# Altium PCB ultra.PcbDoc (part 7 of 9)
Units mm, origin at the board's own origin, x right, y up, seen from the top; angles counter-clockwise.
Board outline 210 x 210 mm, 2 copper layers (Top Layer, Bottom Layer), stack 1.591 mm thick; 722 components, 1083 nets, 2232 pads, 1540 vias.
Unrouted connection lines stored in the file: 21.
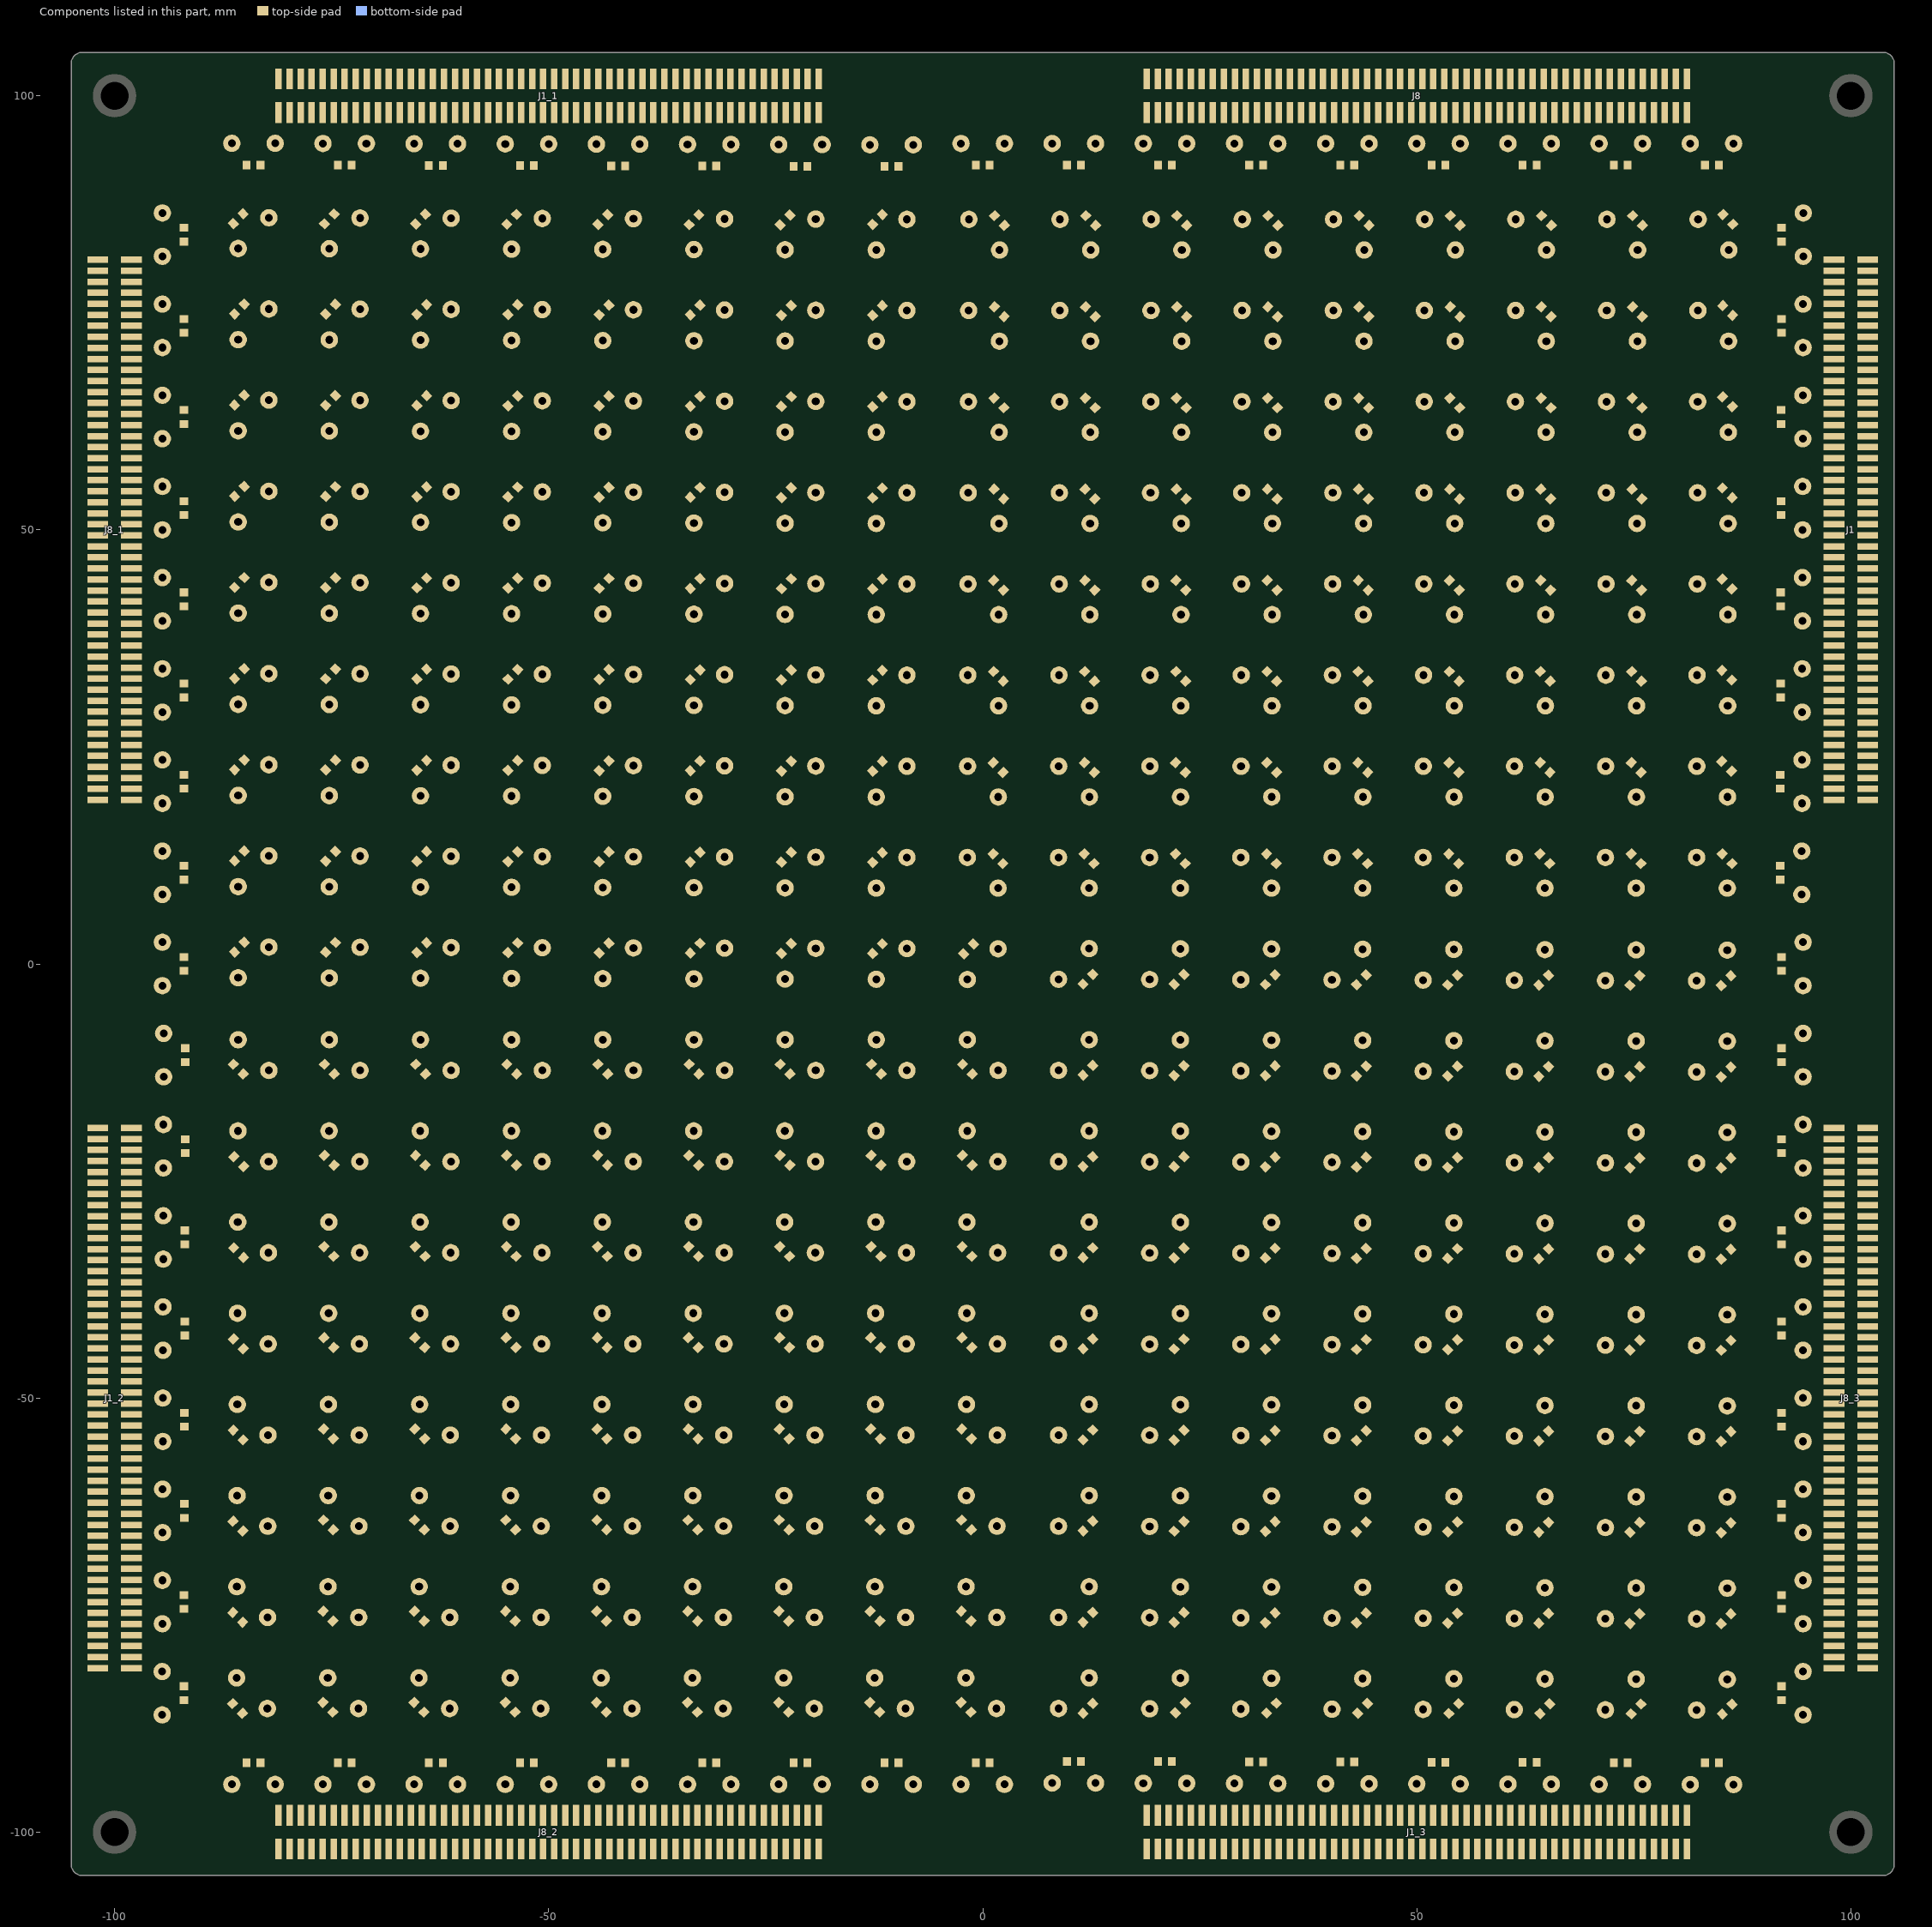
[diagram p7: the components of this part, seen from the top]

## Via types
v1: diameter 0.6, hole 0.3, Top Layer to Bottom Layer, tented both sides, 784 vias
v2: diameter 0.8, hole 0.4, Top Layer to Bottom Layer, tented both sides, 756 vias

## Nets (pads, with @x,y where several pads share a name; then routed paths per layer and width w, separated by ;. In a path a pad name is that pad's centre, name@x,y a point inside that pad or via, vN(x,y) a via of type N, cw(c..) or ccw(c..) an arc to the next point about the centre after c; other vN are vias at no path point) (continued)
copper on no net: (continued)
  Top Layer w0.5: -37.935,98.05 -37.935,96.741 -36.8,95.606 -36.8,93.382 -32.938,89.52 -28.743,89.52 -27.295,88.072 -27.295,70.551 -22.339,65.596 ; -37.935,101.95 -37.935,100.394 -37.744,100.203 -37.744,99.974 v2(-37.795,99.924) ; v2(-36.932,59.03) -36.703,59.03 -32.779,55.105 ; v2(-36.83,99.949) -36.665,100.114 -36.665,101.95 ; v2(-36.678,-100) -36.665,-100.012 -36.665,-101.95 ; -36.665,-98.05 -36.665,-96.403 -36.05,-95.788 -36.05,-92.468 -33.64,-90.058 -28.611,-90.058 -26.249,-87.696 -26.249,-79.426 -24.801,-77.978 -19.456,-77.978 -17.45,-75.971 -17.45,-68.605 -13.221,-64.376 ; -36.665,98.05 -36.665,96.39 -36.15,95.875 -36.15,93.651 -32.669,90.17 -28.473,90.17 -26.645,88.341 -26.645,72.238 -20.98,66.573 -20.98,65.151 -21.133,64.999 -21.133,64.44 -11.532,54.839 ; v2(-35.865,99.974) -35.484,99.974 -35.331,100.127 -35.395,100.19 -35.395,101.95 ; -35.395,-101.95 -35.395,-100.063 v2(-35.382,-100.051) ; -35.395,-98.05 -35.395,-95.085 -35.4,-95.08 -35.4,-92.737 -33.371,-90.708 -28.341,-90.708 -25.599,-87.965 -25.599,-79.828 -24.399,-78.628 -19.187,-78.628 -16.8,-76.241 -16.8,-71.653 -16.698,-71.552 -16.612,-71.552 -12.929,-67.869 -9.576,-67.869 -6.248,-64.541 -6.248,-57.302 -2.463,-53.517 ; -35.395,98.05 -35.4,98.05 -35.4,93.82 -34.58,93 -34.143,93 -33.64,92.497 v2(-33.655,92.481) ; v2(-35.331,-55.499) -35.331,-54.991 -33.91,-53.57 ; v2(-34.595,46.355) -34.519,46.355 -32.817,44.653 ; -34.125,-101.95 -34.125,-100.266 -34.138,-100.254 -34.138,-100 v2(-34.112,-99.974) ; -34.125,-98.05 -34.125,-96.605 -30.785,-93.265 -30.785,-92.354 ; -34.125,98.05 -34.125,96.05 -34.036,95.961 v2(-33.884,95.961) ; -34.125,101.95 -34.125,100.165 -34.188,100.101 v2(-34.011,100.101) ; -34,-94.5 -32.3,-92.8 -32.3,-92 ; -33.826,85.149 -33.268,84.591 -33.268,82.282 ; -33.688,1.242 -33.268,0.822 -33.268,-1.718 ; -33.688,11.742 -33.268,11.322 -33.268,8.782 ; -33.688,22.242 -33.268,21.822 -33.268,19.282 ; -33.688,32.742 -33.268,32.322 -33.268,29.782 ; -33.688,43.242 -33.268,42.822 -33.268,40.282 ; -33.688,53.742 -33.268,53.322 -33.268,50.782 ; -33.688,64.242 -33.268,63.822 -33.268,61.282 ; -33.688,74.742 -33.268,74.322 -33.268,71.782 ; v2(-32.918,-100) -32.766,-100.152 -32.766,-100.178 -32.855,-100.267 -32.855,-101.95 ; v2(-32.893,100) -32.855,100.038 -32.855,101.95 ; -32.867,-86.188 -32.447,-85.768 -29.907,-85.768 ; -32.855,-98.05 -32.855,-96.254 -24.028,-87.428 -24.028,-84.963 -23.444,-84.379 ; -32.855,98.05 -32.855,95.314 -31.14,93.599 v2(-31.14,93.396) ; -32.842,-75.688 -32.422,-75.268 -29.882,-75.268 ; -32.817,-65.188 -32.397,-64.768 -29.857,-64.768 ; -32.792,-54.688 -32.372,-54.268 -29.832,-54.268 ; -32.767,-44.188 -32.347,-43.768 -29.807,-43.768 ; -32.757,86.343 -31.521,87.579 v2(-31.521,87.681) ; -32.742,-33.688 -32.322,-33.268 -29.782,-33.268 ; -32.717,-23.188 -32.297,-22.768 -29.757,-22.768 ; -32.692,-12.688 -32.272,-12.268 -29.732,-12.268 ; -32.042,91.63 -31.232,90.82 -29.373,90.82 -27.508,92.685 -27.508,94.888 -28.42,95.8 -29.074,95.8 -30.315,97.041 -30.315,98.05 ; v2(-31.674,-46.634) -31.636,-46.672 -26.962,-46.672 -23.482,-43.193 ; v2(-31.623,99.974) -31.648,100 -31.648,100.279 -31.585,100.343 -31.585,101.95 ; -31.585,-98.05 -31.572,-98.063 v2(-31.572,-99.924) ; -31.585,98.05 -31.585,96.965 v2(-30.556,95.936) ; -30.7,91.9 -29,93.6 -29,94.4 ; v2(-30.455,103.962) -30.429,103.937 -30.429,103.48 -30.315,103.365 -30.315,101.95 ; -30.315,-101.95 -30.315,-101.283 v2(-30.302,-101.27) ; -30.315,-98.05 -30.315,-96.812 -29.403,-95.9 -28.42,-95.9 -27.381,-94.861 -27.381,-92.532 -23.419,-88.57 -19.126,-88.57 -16.383,-85.827 -16.383,-76.743 -16.15,-76.51 -16.15,-72.258 -12.41,-68.519 -7.025,-68.519 -2.506,-63.999 ; v2(-29.134,100.051) -29.159,100.076 -29.159,100.305 -29.045,100.419 -29.045,101.95 ; -29.045,-98.05 -29.045,-99.784 v2(-28.854,-99.974) ; -29.045,98.05 -29.045,97.184 -28.311,96.45 -28.099,96.45 -26.858,95.21 -26.858,90.993 -22.158,86.293 ; v2(-28.067,50.216) -22.128,44.277 ; v2(-27.788,100) -27.775,100.012 -27.775,101.95 ; -27.775,-98.05 -27.775,-96.253 -26.731,-95.21 -26.731,-92.801 -23.15,-89.22 -17.287,-89.22 -13.061,-84.994 ; -27.775,98.05 -27.775,97.066 -26.208,95.499 -26.208,92.553 -20.879,87.224 -20.879,85.014 -11.622,75.757 ; -26.505,-98.05 -26.505,-95.903 -26.081,-95.479 -26.081,-93.071 -22.88,-89.87 -17.018,-89.87 -15.794,-88.646 -8.179,-88.646 -6.02,-86.487 -6.02,-78.156 -2.447,-74.583 ; -26.505,98.05 -26.505,96.715 -25.558,95.769 -25.558,93.325 -24.206,91.973 -21.8,91.973 ; -26.505,101.95 -26.505,100.089 v2(-26.492,100.076) ; v2(-26.492,60.808) -20.828,55.143 -20.828,53.365 -14.046,46.584 -14.046,46.558 -11.709,44.221 ; v2(-25.324,80.696) -25.324,79.197 -22.016,75.889 ; -25.235,-98.05 -25.235,-93.144 -22.611,-90.52 -10.74,-90.52 -9.672,-91.587 ; -25.235,98.05 -25.235,96.38 -24.638,95.783 -17.929,95.783 -17.1,94.955 -17.1,91.776 -11.602,86.278 ; -25.235,101.95 -25.235,100.114 v2(-25.095,99.974) ; v2(-24.232,4.445) -24.079,4.445 -22.352,2.718 ; -23.965,-98.05 -23.965,-97.015 -22.962,-96.012 -11.963,-96.012 -8.839,-92.888 -8.839,-91.364 -2.667,-85.192 ; -23.965,98.05 -23.965,96.711 -23.688,96.433 -17.659,96.433 -16.45,95.224 -16.45,93.336 -15.037,91.923 -11.3,91.923 ; -23.965,101.95 -23.965,100.089 -23.876,100 -23.851,100.025 v2(-23.825,100.025) ; -23.5,-94.5 -21.8,-92.8 -21.8,-92 ; -23.326,85.124 -22.768,84.566 -22.768,82.257 ; -23.188,1.217 -22.768,0.797 -22.768,-1.743 ; -23.188,11.717 -22.768,11.297 -22.768,8.757 ; -23.188,22.217 -22.768,21.797 -22.768,19.257 ; -23.188,32.717 -22.768,32.297 -22.768,29.757 ; -23.188,43.217 -22.768,42.797 -22.768,40.257 ; -23.188,53.717 -22.768,53.297 -22.768,50.757 ; -23.188,64.217 -22.768,63.797 -22.768,61.257 ; -23.188,74.717 -22.768,74.297 -22.768,71.757 ; -22.695,-101.95 -22.695,-100.775 -22.27,-100.35 -3.297,-100.35 1.968,-95.085 ; -22.695,-98.05 -22.695,-99.098 -22.143,-99.65 -4.349,-99.65 0.686,-94.615 0.686,-91.796 ; -22.367,-86.188 -21.947,-85.768 -19.407,-85.768 ; -22.342,-75.688 -21.922,-75.268 -19.382,-75.268 ; -22.317,-65.188 -21.897,-64.768 -19.357,-64.768 ; -22.292,-54.688 -21.872,-54.268 -19.332,-54.268 ; -22.267,-44.188 -21.847,-43.768 -19.307,-43.768 ; -22.242,-33.688 -21.822,-33.268 -19.282,-33.268 ; -22.217,-23.188 -21.797,-22.768 -19.257,-22.768 ; -22.192,-12.688 -21.772,-12.268 -19.232,-12.268 ; v2(-20.93,-93.701) -20.218,-92.989 -20.218,-92.405 ; -20.2,91.875 -18.5,93.575 -18.5,94.375 ; v2(-16.586,70.891) -16.586,70.409 -11.528,65.351 ; v2(-15.545,-77.47) -15.545,-77.114 -12.98,-74.55 ; v2(-14.808,-55.931) -14.808,-55.474 -12.907,-53.572 ; v2(-14.376,6.985) -14.376,5.08 -11.773,2.476 ; -13,-94.5 -11.3,-92.8 -11.3,-92 ; -12.688,1.192 -12.268,0.772 -12.268,-1.768 ; -12.688,11.692 -12.268,11.272 -12.268,8.732 ; -12.688,22.192 -12.268,21.772 -12.268,19.232 ; -12.688,32.692 -12.268,32.272 -12.268,29.732 ; -12.688,43.192 -12.268,42.772 -12.268,40.232 ; -12.688,53.692 -12.268,53.272 -12.268,50.732 ; -12.688,64.192 -12.268,63.772 -12.268,61.232 ; -12.688,74.692 -12.268,74.272 -12.268,71.732 ; -12.688,85.192 -12.268,84.772 -12.268,82.232 ; -11.867,-86.188 -11.447,-85.768 -8.907,-85.768 ; -11.842,-75.688 -11.422,-75.268 -8.882,-75.268 ; -11.817,-65.188 -11.397,-64.768 -8.857,-64.768 ; -11.792,-54.688 -11.372,-54.268 -8.832,-54.268 ; -11.767,-44.188 -11.347,-43.768 -8.807,-43.768 ; -11.742,-33.688 -11.322,-33.268 -8.782,-33.268 ; -11.717,-23.188 -11.297,-22.768 -8.757,-22.768 ; -11.692,-12.688 -11.272,-12.268 -8.732,-12.268 ; -9.7,91.85 -8,93.55 -8,94.35 ; v2(-6.985,-14.376) -5.08,-14.376 -2.476,-11.773 ; v2(-5.359,-44.704) -3.912,-44.704 -2.331,-43.123 ; v2(-4.445,-24.232) -4.445,-24.079 -2.718,-22.352 ; -2.5,-94.5 -0.8,-92.8 -0.8,-92 ; -2.188,1.167 -1.768,0.747 -1.768,-1.793 ; -1.768,12.268 0.772,12.268 1.192,12.688 ; -1.743,22.768 0.797,22.768 1.217,23.188 ; -1.718,33.268 0.822,33.268 1.242,33.688 ; -1.693,43.768 0.847,43.768 1.267,44.188 ; -1.668,54.268 0.872,54.268 1.292,54.688 ; -1.643,64.768 0.897,64.768 1.317,65.188 ; -1.618,75.268 0.922,75.268 1.342,75.688 ; -1.593,85.768 0.947,85.768 1.367,86.188 ; -1.367,-86.188 -0.947,-85.768 1.593,-85.768 ; -1.342,-75.688 -0.922,-75.268 1.618,-75.268 ; -1.317,-65.188 -0.897,-64.768 1.643,-64.768 ; -1.292,-54.688 -0.872,-54.268 1.668,-54.268 ; -1.267,-44.188 -0.847,-43.768 1.693,-43.768 ; -1.242,-33.688 -0.822,-33.268 1.718,-33.268 ; -1.217,-23.188 -0.797,-22.768 1.743,-22.768 ; -1.192,-12.688 -0.772,-12.268 1.768,-12.268 ; 0.8,92 0.8,92.8 2.5,94.5 ; 8,-94.35 8,-93.55 9.7,-91.85 ; 8.732,12.268 11.272,12.268 11.692,12.688 ; 8.757,22.768 11.297,22.768 11.717,23.188 ; 8.782,33.268 11.322,33.268 11.742,33.688 ; 8.807,43.768 11.347,43.768 11.767,44.188 ; 8.832,54.268 11.372,54.268 11.792,54.688 ; 8.857,64.768 11.397,64.768 11.817,65.188 ; 8.882,75.268 11.422,75.268 11.842,75.688 ; 8.907,85.768 11.447,85.768 11.867,86.188 ; 11.176,-33.655 17.832,-40.311 17.832,-44.373 22.817,-49.357 23.348,-49.357 24.168,-50.177 24.168,-50.733 29.152,-55.718 31.28,-55.718 35.611,-60.049 35.611,-62.201 39.652,-66.243 40.838,-66.243 45.263,-70.667 45.263,-73.521 45.897,-74.155 47.434,-74.155 50.254,-76.975 50.395,-76.975 51.568,-78.148 51.568,-83.203 50.303,-84.468 50.152,-84.468 49.332,-85.288 49.332,-86.448 50.957,-88.072 50.957,-90.976 50.749,-91.184 50.749,-91.721 48.6,-93.87 48.6,-95.03 50.635,-97.065 50.635,-98.05 ; 11.3,-91.923 15.037,-91.923 16.45,-93.336 16.45,-95.224 17.659,-96.433 23.688,-96.433 23.965,-96.711 23.965,-98.05 ; 11.3,92 11.3,92.8 13,94.5 ; 11.528,-65.351 16.586,-70.409 v2(16.586,-70.891) ; 11.532,-54.839 21.133,-64.44 21.133,-64.999 20.98,-65.151 20.98,-66.573 26.645,-72.238 26.645,-88.341 28.473,-90.17 32.669,-90.17 36.15,-93.651 36.15,-95.875 36.665,-96.39 36.665,-98.05 ; 11.58,-12.799 20.904,-22.123 20.904,-23.724 28.016,-30.836 28.016,-33.582 30.029,-35.595 32.166,-35.595 38.182,-41.611 38.182,-44.692 39.835,-46.345 41.962,-46.345 47.358,-51.741 47.358,-53.893 50.173,-56.708 52.301,-56.708 58.532,-62.94 58.532,-66.011 60.173,-67.652 v2(60.173,-68.199) ; 11.585,-23.294 17.832,-29.542 17.832,-33.873 18.707,-34.747 21.565,-34.747 28.332,-41.515 28.332,-44.398 29.152,-45.218 30.613,-45.218 38.182,-52.787 38.182,-55.192 39.876,-56.886 44.379,-56.886 48.245,-60.751 48.245,-65.28 49.883,-66.918 51.867,-66.918 58.532,-73.583 58.532,-78.102 61.39,-80.959 61.39,-83.811 61.063,-84.137 61.008,-84.137 59.832,-85.313 59.832,-86.473 59.804,-86.5 59.804,-93.191 59.1,-93.895 59.1,-95.055 59.525,-95.48 59.525,-98.05 ; 11.602,-86.278 17.1,-91.776 17.1,-94.955 17.929,-95.783 24.638,-95.783 25.235,-96.38 25.235,-98.05 ; 11.622,-75.757 20.879,-85.014 20.879,-87.224 26.208,-92.553 26.208,-95.499 27.775,-97.066 27.775,-98.05 ; 11.709,-44.221 14.046,-46.558 14.046,-46.584 20.828,-53.365 20.828,-55.143 v2(26.492,-60.808) ; 11.773,-2.476 14.376,-5.08 v2(14.376,-6.985) ; 12.268,-82.232 12.268,-84.772 12.688,-85.192 ; 12.268,-71.732 12.268,-74.272 12.688,-74.692 ; 12.268,-61.232 12.268,-63.772 12.688,-64.192 ; 12.268,-50.732 12.268,-53.272 12.688,-53.692 ; 12.268,-40.232 12.268,-42.772 12.688,-43.192 ; 12.268,-29.732 12.268,-32.272 12.688,-32.692 ; 12.268,-19.232 12.268,-21.772 12.688,-22.192 ; 12.268,-8.732 12.268,-11.272 12.688,-11.692 ; 12.268,1.768 12.268,-0.772 12.688,-1.192 ; 18.5,-94.375 18.5,-93.575 20.2,-91.875 ; 19.228,-43.434 20.418,-44.625 20.977,-44.625 28.143,-51.791 29.515,-51.791 31.485,-53.76 31.485,-55.003 36.311,-59.83 37.554,-59.83 41.961,-64.237 41.961,-64.948 41.985,-64.972 41.985,-66.47 46.228,-70.713 v2(46.228,-73.355) ; 19.232,12.268 21.772,12.268 22.192,12.688 ; 19.257,22.768 21.797,22.768 22.217,23.188 ; 19.282,33.268 21.822,33.268 22.242,33.688 ; 19.307,43.768 21.847,43.768 22.267,44.188 ; 19.332,54.268 21.872,54.268 22.292,54.688 ; 19.357,64.768 21.897,64.768 22.317,65.188 ; 19.382,75.268 21.922,75.268 22.342,75.688 ; 19.407,85.768 21.947,85.768 22.367,86.188 ; 21.8,-91.973 24.206,-91.973 25.558,-93.325 25.558,-95.769 26.505,-96.715 26.505,-98.05 ; 21.8,92 21.8,92.8 23.5,94.5 ; 22.016,-75.889 25.324,-79.197 v2(25.324,-80.696) ; 22.047,-23.317 31.217,-32.487 31.217,-33.735 32.426,-34.945 32.435,-34.945 38.832,-41.342 38.832,-44.423 40.104,-45.695 42.232,-45.695 48.099,-51.562 v2(48.158,-51.562) ; 22.098,-34.278 23.382,-34.278 31.293,-42.189 31.293,-44.933 38.832,-52.472 38.832,-54.923 40.145,-56.236 44.648,-56.236 48.895,-60.482 48.895,-65.01 50.152,-66.268 52.136,-66.268 59.182,-73.314 59.182,-77.833 62.04,-80.69 62.04,-83.897 62.508,-84.366 62.534,-84.366 62.789,-84.621 62.789,-86.316 61.812,-87.293 61.805,-87.293 60.604,-88.494 v2(60.604,-91.313) ; 22.128,-44.277 v2(28.067,-50.216) ; 22.158,-86.293 26.858,-90.993 26.858,-95.21 28.099,-96.45 28.311,-96.45 29.045,-97.184 29.045,-98.05 ; 22.276,-55.143 31.267,-64.135 31.267,-65.286 34.849,-68.868 34.849,-77.858 34.491,-78.216 34.491,-79.417 36.637,-81.563 36.637,-86.066 40.548,-89.977 42.368,-89.977 43.65,-91.259 43.65,-92.591 43.1,-93.141 43.1,-95.005 44.285,-96.19 44.285,-98.05 ; 22.301,-13.157 27.026,-17.882 33.848,-17.882 36.769,-20.803 36.769,-33.614 41.412,-38.257 44.617,-38.257 47.157,-40.798 47.157,-44.663 50.358,-47.864 54.199,-47.864 59.095,-52.761 59.095,-55.687 61.585,-58.176 64.486,-58.176 66.818,-60.508 66.818,-63.026 73.624,-69.832 75.578,-69.832 75.66,-69.751 86.51,-69.751 87.856,-71.097 87.856,-71.492 88.706,-72.341 89.907,-72.341 90.756,-71.492 90.756,-71.29 93.096,-68.95 95.349,-68.95 96.084,-69.685 98.05,-69.685 ; 22.339,-65.596 27.295,-70.551 27.295,-88.072 28.743,-89.52 32.938,-89.52 36.8,-93.382 36.8,-95.606 37.935,-96.741 37.935,-98.05 ; 22.352,-2.718 24.079,-4.445 v2(24.232,-4.445) ; 22.768,-82.257 22.768,-84.566 23.326,-85.124 ; 22.768,-71.757 22.768,-74.297 23.188,-74.717 ; 22.768,-61.257 22.768,-63.797 23.188,-64.217 ; 22.768,-50.757 22.768,-53.297 23.188,-53.717 ; 22.768,-40.257 22.768,-42.797 23.188,-43.217 ; 22.768,-29.757 22.768,-32.297 23.188,-32.717 ; 22.768,-19.257 22.768,-21.797 23.188,-22.217 ; 22.768,-8.757 22.768,-11.297 23.188,-11.717 ; 22.768,1.743 22.768,-0.797 23.188,-1.217 ; v2(23.825,-100.025) 23.851,-100.025 23.876,-100 23.965,-100.089 23.965,-101.95 ; v2(25.095,-99.974) 25.235,-100.114 25.235,-101.95 ; v2(26.492,-100.076) 26.505,-100.089 26.505,-101.95 ; 27.775,-101.95 27.775,-100.012 v2(27.788,-100) ; 29,-94.4 29,-93.6 30.7,-91.9 ; 29.045,-101.95 29.045,-100.419 29.159,-100.305 29.159,-100.076 v2(29.134,-100.051) ; 29.732,12.268 32.272,12.268 32.692,12.688 ; 29.757,22.768 32.297,22.768 32.717,23.188 ; 29.782,33.268 32.322,33.268 32.742,33.688 ; 29.807,43.768 32.347,43.768 32.767,44.188 ; 29.832,54.268 32.372,54.268 32.792,54.688 ; 29.857,64.768 32.397,64.768 32.817,65.188 ; 29.882,75.268 32.422,75.268 32.842,75.688 ; 29.907,85.768 32.447,85.768 32.867,86.188 ; 30.315,-101.95 30.315,-103.365 30.429,-103.48 30.429,-103.937 v2(30.455,-103.962) ; 30.315,-98.05 30.315,-97.041 29.074,-95.8 28.42,-95.8 27.508,-94.888 27.508,-92.685 29.373,-90.82 31.232,-90.82 32.042,-91.63 ; v2(30.556,-95.936) 31.585,-96.965 31.585,-98.05 ; v2(31.14,-93.396) 31.14,-93.599 32.855,-95.314 32.855,-98.05 ; v2(31.521,-87.681) 31.521,-87.579 32.757,-86.343 ; 31.585,-101.95 31.585,-100.343 31.648,-100.279 31.648,-100 v2(31.623,-99.974) ; 32.3,92 32.3,92.8 34,94.5 ; 32.533,-75.849 27.945,-80.437 27.945,-87.803 29.012,-88.87 33.208,-88.87 37.45,-93.112 37.45,-95.337 39.205,-97.092 39.205,-98.05 ; 32.645,-65.284 35.499,-68.138 35.499,-78.127 35.141,-78.485 35.141,-79.148 37.287,-81.294 37.287,-85.797 40.818,-89.327 42.637,-89.327 45.999,-92.689 45.999,-97.606 45.555,-98.05 ; 32.652,-13.043 41.885,-22.276 41.885,-24.816 45.184,-28.116 45.184,-32.535 49.987,-37.338 65.888,-37.338 68.301,-39.751 68.301,-45.441 70.587,-47.727 76.454,-47.727 79.146,-50.419 79.146,-54.737 81.225,-56.815 85.298,-56.815 88.533,-60.05 91.881,-60.05 93.481,-58.45 95.349,-58.45 96.424,-59.525 98.05,-59.525 ; 32.741,-2.565 36.335,-6.159 44.92,-6.159 47.498,-8.738 47.498,-14.199 50.582,-17.282 55.117,-17.282 56.318,-18.483 56.318,-21.185 62.29,-27.157 65.886,-27.157 67.468,-28.739 67.468,-31.133 74.017,-37.682 76.386,-37.682 77.968,-39.264 77.968,-41.658 83.615,-47.305 88.7,-47.305 91.243,-49.847 91.949,-49.847 92.45,-49.347 92.45,-49.151 93.651,-47.95 95.349,-47.95 96.764,-49.365 98.05,-49.365 ; 32.779,-55.105 36.703,-59.03 v2(36.932,-59.03) ; 32.791,-23.546 36.119,-26.873 36.119,-33.884 41.142,-38.907 44.348,-38.907 46.507,-41.067 46.507,-44.933 50.089,-48.514 53.929,-48.514 58.445,-53.03 58.445,-55.956 61.316,-58.826 64.217,-58.826 66.168,-60.777 66.168,-63.296 73.354,-70.482 75.848,-70.482 75.929,-70.401 86.241,-70.401 87.206,-71.366 87.206,-71.761 88.437,-72.991 90.176,-72.991 91.406,-71.761 91.406,-71.559 93.365,-69.6 95.08,-69.6 96.435,-70.955 98.05,-70.955 ; 32.817,-44.653 34.519,-46.355 v2(34.595,-46.355) ; 32.855,-101.95 32.855,-100.038 v2(32.893,-100) ; 32.944,-34.214 41.985,-43.255 41.985,-44.528 42.926,-45.47 43.257,-45.47 43.282,-45.446 49.149,-51.313 49.149,-54.764 50.442,-56.058 52.57,-56.058 59.182,-62.67 59.182,-65.742 61.26,-67.82 63.391,-67.82 67.183,-71.612 v2(67.183,-72.923) ; v2(33.147,-87.859) 37.51,-87.859 40.279,-90.627 41.58,-90.627 42.685,-91.732 ; 33.268,-82.282 33.268,-84.591 33.826,-85.149 ; 33.268,-71.782 33.268,-74.322 33.688,-74.742 ; 33.268,-61.282 33.268,-63.822 33.688,-64.242 ; 33.268,-50.782 33.268,-53.322 33.688,-53.742 ; 33.268,-40.282 33.268,-42.822 33.688,-43.242 ; 33.268,-29.782 33.268,-32.322 33.688,-32.742 ; 33.268,-19.282 33.268,-21.822 33.688,-22.242 ; 33.268,-8.782 33.268,-11.322 33.688,-11.742 ; 33.268,1.718 33.268,-0.822 33.688,-1.242 ; v2(33.655,-92.481) 33.64,-92.497 34.143,-93 34.58,-93 35.4,-93.82 35.4,-98.05 35.395,-98.05 ; v2(33.884,-95.961) 34.036,-95.961 34.125,-96.05 34.125,-98.05 ; v2(34.011,-100.101) 34.188,-100.101 34.125,-100.165 34.125,-101.95 ; 35.395,-101.95 35.395,-100.19 35.331,-100.127 35.484,-99.974 v2(35.865,-99.974) ; v2(35.941,-78.816) 37.135,-77.622 37.135,-75.692 39.954,-72.873 v2(40.615,-72.873) ; 36.665,-101.95 36.665,-100.114 v2(36.83,-99.949) ; v2(37.795,-99.924) 37.744,-99.974 37.744,-100.203 37.935,-100.394 37.935,-101.95 ; v2(38.252,-89.992) 38.1,-90.145 38.1,-95.005 39.545,-96.45 39.741,-96.45 40.475,-97.184 40.475,-98.05 ; v2(38.786,-99.974) 38.684,-99.974 39.205,-100.495 39.205,-101.95 ; 39.5,-93.625 39.5,-94.425 39.5,-93.297 39.091,-92.888 39.091,-92.304 39.573,-91.821 39.624,-91.77 41.2,-91.77 ; v2(39.751,-84.277) 41.3,-84.277 43.409,-86.385 ; 40.076,-85.999 38.862,-84.785 38.862,-84.684 38.887,-84.658 38.887,-83.363 41.046,-81.204 v2(41.605,-81.204) ; 40.232,12.268 42.772,12.268 43.192,12.688 ; 40.257,22.768 42.797,22.768 43.217,23.188 ; v2(40.259,-92.812) 40.284,-92.812 41.453,-93.98 41.453,-94.277 43.015,-95.839 43.015,-98.05 ; 40.282,33.268 42.822,33.268 43.242,33.688 ; 40.307,43.768 42.847,43.768 43.267,44.188 ; 40.332,54.268 42.872,54.268 43.292,54.688 ; 40.357,64.768 42.897,64.768 43.317,65.188 ; 40.382,75.268 42.922,75.268 43.342,75.688 ; 40.407,85.768 42.947,85.768 43.367,86.188 ; v2(40.912,-87.355) 41.584,-88.027 43.176,-88.027 45.628,-90.48 48.484,-90.48 v2(48.844,-90.119) ; 41.681,-101.295 v2(41.681,-100.025) ; v2(41.707,-96.114) 41.745,-96.152 41.745,-98.05 ; v2(41.834,-86.385) 41.834,-86.411 42.8,-87.377 43.445,-87.377 45.12,-89.052 v2(48.844,-89.052) ; 42.647,-12.725 47.853,-17.932 54.848,-17.932 55.668,-18.752 55.668,-21.454 62.021,-27.807 65.617,-27.807 66.818,-29.008 66.818,-31.402 73.748,-38.332 76.117,-38.332 77.318,-39.533 77.318,-41.927 83.366,-47.976 88.452,-47.976 90.973,-50.497 92.225,-50.497 93.1,-49.623 93.1,-49.42 93.92,-48.6 95.08,-48.6 96.634,-50.154 96.634,-50.635 98.05,-50.635 ; 42.8,92 42.8,92.8 44.5,94.5 ; v2(42.951,-99.924) 43.015,-99.987 43.015,-101.95 ; 43.041,-75.882 37.998,-80.924 37.998,-85.589 41.087,-88.677 42.906,-88.677 46.65,-92.421 46.65,-97.875 46.825,-98.05 ; 43.087,-33.867 52.132,-42.912 52.132,-43.485 52.485,-43.837 52.485,-44.553 54.682,-46.751 55.717,-46.751 62.985,-54.018 62.985,-55.078 65.374,-57.467 67.069,-57.467 73.279,-63.678 73.279,-68.568 73.811,-69.101 80.175,-69.101 80.67,-68.605 v2(81.001,-68.605) ; 43.105,-44.35 52.132,-53.377 52.132,-54.701 53.426,-55.995 53.48,-55.995 59.832,-62.347 59.832,-65.473 61.529,-67.17 63.66,-67.17 68.174,-71.684 v2(68.174,-73.939) ; 43.123,-2.331 44.704,-3.912 v2(44.704,-5.359) ; 43.193,-23.482 46.672,-26.962 46.672,-31.636 v2(46.634,-31.674) ; 43.307,-65.697 45.707,-65.697 52.218,-72.208 52.218,-86.94 56.49,-91.211 56.49,-94.94 55.58,-95.85 54.47,-95.85 54.445,-95.875 54.445,-98.05 ; 43.561,-54.94 44.272,-54.94 52.485,-63.153 52.485,-65.697 59.832,-73.045 59.832,-75.973 61.802,-77.942 63.79,-77.942 67.048,-81.201 67.048,-85.694 66.848,-85.894 66.848,-91.064 63.335,-94.577 63.335,-98.05 ; 43.768,-82.307 43.768,-84.616 44.326,-85.174 ; 43.768,-71.807 43.768,-74.347 44.188,-74.767 ; 43.768,-61.307 43.768,-63.847 44.188,-64.267 ; 43.768,-50.807 43.768,-53.347 44.188,-53.767 ; 43.768,-40.307 43.768,-42.847 44.188,-43.267 ; 43.768,-29.807 43.768,-32.347 44.188,-32.767 ; 43.768,-19.307 43.768,-21.847 44.188,-22.267 ; 43.768,-8.807 43.768,-11.347 44.188,-11.767 ; 43.768,1.693 43.768,-0.847 44.188,-1.267 ; v2(43.917,-100.025) 44.221,-100.025 44.285,-100.089 44.285,-101.95 ; v2(45.136,-99.974) 45.517,-99.974 45.555,-100.012 45.555,-101.95 ; v2(45.339,-87.503) 45.364,-87.503 47.382,-85.485 47.382,-84.48 49.454,-82.409 v2(49.454,-82.347) ; v2@45.796,-27.229 v2(45.872,-27.305) 45.984,-27.417 45.984,-31.192 45.834,-31.342 45.834,-32.266 50.256,-36.688 66.157,-36.688 68.951,-39.482 68.951,-45.171 70.856,-47.077 76.723,-47.077 79.796,-50.15 79.796,-54.468 81.494,-56.165 85.568,-56.165 88.802,-59.4 91.612,-59.4 93.212,-57.8 95.618,-57.8 96.073,-58.255 98.05,-58.255 ; 46.825,-101.95 46.825,-99.962 46.889,-100.025 v2(47.117,-100.025) ; 48.095,-101.95 48.095,-100.063 v2(48.108,-100.051) ; 48.095,-98.05 48.095,-96.363 47.3,-95.568 47.3,-93.332 49.449,-91.182 49.449,-90.646 49.657,-90.438 49.657,-88.611 48.032,-86.986 48.032,-84.749 49.614,-83.168 49.764,-83.168 50.268,-82.664 50.268,-80.143 49.97,-79.845 49.757,-79.845 49.289,-79.376 49.289,-78.713 49.757,-78.245 49.954,-78.245 50.063,-78.135 v2(50.063,-77.775) ; 49.365,-101.95 49.865,-102.45 49.865,-103.316 51.045,-104.496 83.922,-104.496 89.652,-98.766 89.652,-88.991 v2(88.316,-87.655) ; 49.365,-98.05 49.365,-96.714 47.95,-95.299 47.95,-93.601 50.099,-91.452 50.099,-90.915 50.307,-90.707 50.307,-88.342 48.682,-86.717 48.682,-85.019 49.883,-83.818 50.033,-83.818 50.918,-82.933 50.918,-79.874 v2(50.089,-79.045) ; 50,-94.45 50,-93.65 51.7,-91.95 ; 50.635,-101.95 50.635,-100.063 v2(50.673,-100.025) ; 50.732,12.268 53.272,12.268 53.692,12.688 ; 50.757,22.768 53.297,22.768 53.717,23.188 ; 50.782,33.268 53.322,33.268 53.742,33.688 ; 50.807,43.768 53.347,43.768 53.767,44.188 ; 50.832,54.268 53.372,54.268 53.792,54.688 ; 50.857,64.768 53.397,64.768 53.817,65.188 ; 50.882,75.268 53.422,75.268 53.842,75.688 ; 50.907,85.768 53.447,85.768 53.867,86.188 ; v2(51.765,-89.205) 51.607,-89.363 51.607,-90.24 53.162,-91.796 ; v2(51.791,-96.215) 51.714,-96.139 51.613,-96.139 51.905,-96.431 51.905,-98.05 ; v2(51.892,-99.974) 51.905,-99.987 51.905,-101.95 ; v2(52.146,-93.396) 52.095,-93.345 52.019,-93.345 52.95,-94.276 52.95,-95.299 53.175,-95.524 53.175,-98.05 ; v2(52.73,-89.662) 52.908,-89.662 54.94,-91.694 54.94,-93.675 ; v2(53.137,-100) 53.175,-100.038 53.175,-101.95 ; 53.238,-23.368 53.569,-23.368 58.658,-28.457 65.348,-28.457 66.168,-29.277 66.168,-31.672 73.478,-38.982 75.848,-38.982 76.668,-39.802 76.668,-42.197 83.097,-48.626 87.163,-48.626 88.956,-50.419 v2(89.764,-50.419) ; v2(53.264,-80.696) 52.868,-81.092 52.868,-82.912 53.391,-83.435 53.391,-86.233 ; 53.3,92 53.3,92.8 55,94.5 ; 53.517,-2.463 57.302,-6.248 64.541,-6.248 67.869,-9.576 67.869,-12.929 71.552,-16.612 71.552,-16.698 71.653,-16.8 76.241,-16.8 78.628,-19.187 78.628,-24.399 79.828,-25.599 87.965,-25.599 90.708,-28.341 90.708,-33.371 92.737,-35.4 95.08,-35.4 95.085,-35.395 98.05,-35.395 ; 53.556,-65.638 56.037,-65.638 62.941,-72.542 62.941,-76.175 67.698,-80.931 67.698,-85.964 67.498,-86.163 67.498,-94.457 65.505,-96.45 65.339,-96.45 64.605,-97.184 64.605,-98.05 ; 53.57,-33.91 54.991,-35.331 v2(55.499,-35.331) ; 53.572,-12.907 55.474,-14.808 v2(55.931,-14.808) ; 53.708,-55.105 62.865,-64.262 62.865,-65.459 63.926,-66.52 63.929,-66.52 70.332,-72.923 70.332,-75.998 71.401,-77.067 72.876,-77.067 74.854,-79.045 79.008,-79.045 82.309,-82.346 82.309,-83.008 81.84,-83.477 81.799,-83.477 79.817,-85.459 79.817,-88.432 74.6,-93.65 74.6,-98.05 74.765,-98.05 ; 53.734,-44.767 55.067,-46.101 v2(57.125,-46.101) ; 53.772,-76.048 55.931,-78.207 55.931,-79.971 55.918,-79.983 55.918,-84.341 57.186,-85.608 57.186,-95.214 55.715,-96.685 55.715,-98.05 ; 54.268,-82.332 54.268,-84.641 54.826,-85.199 ; 54.268,-71.832 54.268,-74.372 54.688,-74.792 ; 54.268,-61.332 54.268,-63.872 54.688,-64.292 ; 54.268,-50.832 54.268,-53.372 54.688,-53.792 ; 54.268,-40.332 54.268,-42.872 54.688,-43.292 ; 54.268,-29.832 54.268,-32.372 54.688,-32.792 ; 54.268,-19.332 54.268,-21.872 54.688,-22.292 ; 54.268,-8.832 54.268,-11.372 54.688,-11.792 ; 54.268,1.668 54.268,-0.872 54.688,-1.292 ; v2(54.381,-99.949) 54.483,-100.051 54.445,-100.089 54.445,-101.95 ; v2(56.083,-40.513) 56.058,-40.513 55.668,-40.903 55.668,-42.529 55.677,-42.52 60.477,-47.32 63.211,-47.32 66.168,-50.277 66.168,-53.315 70.028,-57.175 73.041,-57.175 78.232,-62.367 v2(78.232,-62.408) ; v2(56.159,-99.974) 56.985,-100.8 56.985,-101.95 ; v2(56.718,-80.315) 59.639,-80.315 v2@60.134,-80.81 ; v2(56.947,-83.566) 58.42,-82.093 v2(60.122,-82.093) ; 56.985,-98.05 56.985,-96.456 57.836,-95.606 57.836,-94.234 59.154,-92.915 59.154,-85.071 60.731,-83.494 60.579,-83.342 v2(60.579,-83.337) ; v2(57.785,-100.178) 58.217,-99.746 58.217,-98.05 ; v2(58.242,-103.454) 58.255,-103.441 58.255,-101.95 ; 59.525,-101.95 59.525,-100.089 59.665,-99.949 v2(59.919,-99.949) ; 60.5,-94.475 60.5,-93.675 62.2,-91.975 ; 60.795,-101.95 60.795,-100.139 v2(60.884,-100.051) ; 60.795,-98.05 60.795,-96.406 v2(60.808,-96.393) ; 61.232,12.268 63.772,12.268 64.192,12.688 ; 61.257,22.768 63.797,22.768 64.217,23.188 ; 61.282,33.268 63.822,33.268 64.242,33.688 ; 61.307,43.768 63.847,43.768 64.267,44.188 ; 61.332,54.268 63.872,54.268 64.292,54.688 ; 61.357,64.768 63.897,64.768 64.317,65.188 ; 61.382,75.268 63.922,75.268 64.342,75.688 ; 61.407,85.768 63.947,85.768 64.367,86.188 ; v2(61.874,-96.19) 62.065,-96.38 62.065,-98.05 ; 62.065,-101.95 62.065,-99.987 v2(62.078,-99.974) ; v2(62.84,-83.566) 62.84,-81.94 63.932,-80.848 65.405,-80.848 66.398,-81.841 66.398,-85.425 66.198,-85.625 66.198,-89.866 64.091,-91.973 63.525,-91.973 ; v2(63.322,-100.051) 63.335,-100.063 63.335,-101.95 ; v2(63.678,-84.379) 63.907,-84.608 63.907,-86.068 64.195,-86.355 ; 63.8,92 63.8,92.8 65.5,94.5 ; 63.856,-44.399 63.856,-47.046 66.818,-50.008 66.818,-53.046 70.297,-56.525 73.31,-56.525 74.9,-58.115 84.76,-58.115 87.995,-61.35 92.666,-61.35 94.651,-63.335 98.05,-63.335 ; 63.999,-2.506 68.519,-7.025 68.519,-12.41 72.258,-16.15 76.51,-16.15 76.743,-16.383 85.827,-16.383 88.57,-19.126 88.57,-23.419 92.532,-27.381 94.861,-27.381 95.9,-28.42 95.9,-29.403 96.812,-30.315 98.05,-30.315 ; 64.028,-65.476 73.457,-74.905 73.457,-75.336 73.485,-75.364 73.485,-76.756 75.123,-78.395 79.277,-78.395 82.959,-82.076 82.959,-83.278 82.109,-84.127 82.068,-84.127 81.879,-84.316 81.879,-84.419 81.854,-84.445 81.75,-84.445 80.467,-85.728 80.467,-92.583 76.035,-97.015 76.035,-98.05 ; 64.039,-33.965 66.112,-36.038 66.426,-36.038 73.365,-42.977 v2(73.457,-42.977) ; 64.198,-23.558 67.412,-26.772 74.371,-26.772 78.283,-30.683 78.283,-34.265 81.011,-36.993 87.01,-36.993 89.296,-39.279 89.296,-40.122 91.161,-41.986 ; v2(64.287,-100.025) 64.516,-100.025 64.605,-100.114 64.605,-101.95 ; 64.325,-76.162 68.348,-80.184 68.348,-86.233 68.148,-86.432 68.148,-94.818 65.875,-97.091 65.875,-98.05 ; 64.351,-55.308 65.71,-56.667 v2(66.624,-56.667) ; 64.376,-13.221 68.605,-17.45 75.971,-17.45 77.978,-19.456 77.978,-24.801 79.426,-26.249 87.696,-26.249 90.058,-28.611 90.058,-33.64 92.468,-36.05 95.788,-36.05 96.403,-36.665 98.05,-36.665 ; 64.768,-82.357 64.768,-84.666 65.326,-85.224 ; 64.768,-71.857 64.768,-74.397 65.188,-74.817 ; 64.768,-61.357 64.768,-63.897 65.188,-64.317 ; 64.768,-50.857 64.768,-53.397 65.188,-53.817 ; 64.768,-40.357 64.768,-42.897 65.188,-43.317 ; 64.768,-29.857 64.768,-32.397 65.188,-32.817 ; 64.768,-19.357 64.768,-21.897 65.188,-22.317 ; 64.768,-8.857 64.768,-11.397 65.188,-11.817 ; 64.768,1.643 64.768,-0.897 65.188,-1.317 ; v2(65.405,-99.822) 65.456,-99.822 65.456,-100.635 65.875,-101.054 65.875,-101.95 ; v2(65.938,-44.755) 65.938,-48.209 67.468,-49.739 67.468,-52.777 70.566,-55.875 73.579,-55.875 75.169,-57.465 85.029,-57.465 88.264,-60.7 92.151,-60.7 92.202,-60.649 92.372,-60.649 93.92,-59.1 95.08,-59.1 95.9,-59.92 95.9,-61.381 96.584,-62.065 98.05,-62.065 ; v2(66.446,-100.152) 66.446,-100.386 66.645,-100.584 66.645,-100.706 67.145,-101.206 67.145,-101.95 ; 67.145,-98.05 67.145,-96.837 68.809,-95.174 68.809,-89.332 v2(70.155,-87.986) ; 68.415,-101.95 68.415,-103.442 68.605,-103.632 70.358,-103.632 v2(70.307,-103.683) ; 68.415,-98.05 68.415,-99.555 v2(69.063,-100.203) ; 69.685,-101.95 69.685,-100.876 69.952,-100.609 69.952,-99.873 v2(70.028,-99.873) ; 69.685,-98.05 69.6,-98.05 69.6,-90.115 73.254,-86.462 73.254,-82.906 v2(71.755,-81.407) ; v2(69.825,-81.737) 71.323,-80.239 79.07,-80.239 v2(81.509,-82.677) ; 70.955,-101.95 70.955,-100.139 70.993,-100.101 v2(70.993,-100.025) ; 70.955,-98.05 70.955,-96.609 71.323,-96.241 v2(71.577,-96.241) ; 71,-94.5 72.231,-93.269 72.593,-93.269 73.127,-93.269 74.348,-92.048 ; v2(71.247,-91.262) 72.974,-89.535 v2(76.022,-89.535) ; v2(71.526,-89.484) 70.358,-90.653 70.358,-91.618 70.98,-92.24 72.771,-92.24 ; 71.732,12.268 74.272,12.268 74.692,12.688 ; 71.757,22.768 74.297,22.768 74.717,23.188 ; 71.782,33.268 74.322,33.268 74.742,33.688 ; 71.807,43.768 74.347,43.768 74.767,44.188 ; 71.832,54.268 74.372,54.268 74.792,54.688 ; 71.857,64.768 74.397,64.768 74.817,65.188 ; 71.882,75.268 74.422,75.268 74.842,75.688 ; 71.907,85.768 74.447,85.768 74.867,86.188 ; 72.225,-101.95 72.225,-100.165 72.314,-100.076 v2(72.314,-100.051) ; 72.225,-98.05 72.4,-98.05 72.4,-94.986 v2(73.05,-94.336) ; v2(72.415,-88.519) 72.669,-88.519 74.751,-86.437 ; 73.495,-101.95 73.495,-100.089 v2(73.533,-100.051) ; 73.495,-98.05 73.495,-95.39 v2(73.508,-95.377) ; v2(74.143,-68.301) 74.238,-68.205 74.289,-68.205 74.295,-68.199 76.922,-68.199 77.47,-67.651 81.177,-67.651 82.627,-69.101 86.78,-69.101 88.506,-70.827 88.506,-71.223 88.975,-71.691 89.638,-71.691 90.106,-71.223 90.106,-71.02 92.827,-68.3 97.935,-68.3 98.05,-68.415 ; 74.3,92 74.3,92.8 76,94.5 ; 74.55,-12.98 77.114,-15.545 v2(77.47,-15.545) ; 74.552,-44.478 76.5,-46.427 76.992,-46.427 79.842,-49.276 86.893,-49.276 90.119,-52.502 91.084,-52.502 ; 74.554,-23.475 77.978,-26.899 87.427,-26.899 89.408,-28.88 89.408,-33.909 92.199,-36.7 95.518,-36.7 96.753,-37.935 98.05,-37.935 ; 74.559,-33.97 78.283,-37.694 82.398,-37.694 82.448,-37.643 86.741,-37.643 88.646,-39.548 88.646,-42.037 92.609,-46 97.605,-46 98.05,-45.555 ; 74.583,-2.447 78.156,-6.02 86.487,-6.02 88.646,-8.179 88.646,-15.794 89.87,-17.018 89.87,-22.88 93.071,-26.081 95.479,-26.081 95.903,-26.505 98.05,-26.505 ; v2(74.727,-100.051) 74.727,-99.974 74.765,-99.936 74.765,-101.95 ; 74.752,-65.634 76.251,-67.132 v2(76.251,-67.208) ; 74.765,-55.131 75.997,-56.363 v2(75.997,-56.49) ; 75.006,-76.098 78.156,-76.098 83.845,-81.788 83.845,-89.864 82.35,-91.359 82.35,-91.64 77.305,-96.685 77.305,-98.05 ; 75.268,-82.382 75.268,-84.691 75.826,-85.249 ; 75.268,-71.882 75.268,-74.422 75.688,-74.842 ; 75.268,-61.382 75.268,-63.922 75.688,-64.342 ; 75.268,-50.882 75.268,-53.422 75.688,-53.842 ; 75.268,-40.382 75.268,-42.922 75.688,-43.342 ; 75.268,-29.882 75.268,-32.422 75.688,-32.842 ; 75.268,-19.382 75.268,-21.922 75.688,-22.342 ; 75.268,-8.882 75.268,-11.422 75.688,-11.842 ; 75.268,1.618 75.268,-0.922 75.688,-1.342 ; 76.035,-101.95 76.035,-100.063 v2(76.048,-100.051) ; 77.305,-101.95 77.305,-100.241 77.343,-100.203 77.343,-100.051 v2(77.318,-100.025) ; 78.575,-101.95 78.575,-102.693 79.075,-103.193 79.075,-103.316 79.309,-103.55 81.651,-103.55 82.534,-102.667 v2(84.43,-102.667) ; 78.575,-98.05 78.575,-99.555 78.562,-99.568 78.842,-99.847 86.106,-99.847 89.002,-96.952 89.002,-90.17 85.077,-86.246 ; 81.5,-94.525 81.5,-93.725 83.2,-92.025 ; 81.788,-64.821 82.398,-64.821 84.15,-63.068 v2(84.607,-63.068) ; 82.042,-75.159 91.008,-84.125 91.008,-85.75 93.158,-87.9 97.301,-87.9 103.55,-81.651 103.55,-77.744 103.111,-77.305 101.95,-77.305 ; 82.118,-53.039 82.118,-52.07 v2(83.972,-50.216) ; 82.232,12.268 84.772,12.268 85.192,12.688 ; 82.257,22.768 84.566,22.768 85.124,23.326 ; 82.282,33.268 84.591,33.268 85.149,33.826 ; 82.307,43.768 84.616,43.768 85.174,44.326 ; 82.332,54.268 84.641,54.268 85.199,54.826 ; 82.357,64.768 84.666,64.768 85.224,65.326 ; 82.382,75.268 84.691,75.268 85.249,75.826 ; 82.407,85.768 84.716,85.768 85.274,86.326 ; 82.474,-43.561 83.744,-42.291 v2(84.912,-42.291) ; 84.379,-23.444 84.963,-24.028 87.428,-24.028 96.254,-32.855 98.05,-32.855 ; v2(84.455,-93.853) 84.836,-93.472 84.836,-92.025 ; 84.8,92 84.8,92.8 86.5,94.5 ; 84.994,-13.061 89.22,-17.287 89.22,-23.15 92.801,-26.731 95.21,-26.731 96.253,-27.775 98.05,-27.775 ; 85.029,-34.026 88.353,-37.35 95.249,-37.35 96.55,-38.651 96.55,-38.92 96.835,-39.205 98.05,-39.205 ; 85.115,-65.875 92.895,-65.875 93.92,-66.9 95.08,-66.9 96.105,-65.875 98.05,-65.875 ; 85.179,-76.136 87.63,-78.588 95.758,-78.588 97.041,-77.305 98.05,-77.305 ; 85.192,-2.667 91.364,-8.839 92.888,-8.839 96.012,-11.963 96.012,-22.962 97.015,-23.965 98.05,-23.965 ; 85.242,-44.526 87.366,-46.65 97.875,-46.65 98.05,-46.825 ; 85.433,-55.029 86.739,-56.335 93.855,-56.335 93.92,-56.4 95.08,-56.4 95.145,-56.335 96.192,-56.335 96.812,-55.715 98.05,-55.715 ; 85.768,-82.407 85.768,-84.716 86.326,-85.274 ; 85.768,-71.907 85.768,-74.447 86.188,-74.867 ; 85.768,-61.407 85.768,-63.947 86.188,-64.367 ; 85.768,-50.907 85.768,-53.447 86.188,-53.867 ; 85.768,-40.407 85.768,-42.947 86.188,-43.367 ; 85.768,-29.907 85.768,-32.447 86.188,-32.867 ; 85.768,-19.407 85.768,-21.947 86.188,-22.367 ; 85.768,-8.907 85.768,-11.447 86.188,-11.867 ; 85.768,1.593 85.768,-0.947 86.188,-1.367 ; v2(87.808,-74.473) 87.884,-74.549 88.214,-74.549 91.603,-77.938 95.163,-77.938 97.066,-76.035 98.05,-76.035 ; v2(89.306,-70.891) 89.306,-70.872 89.484,-70.694 89.504,-70.694 92.648,-67.55 95.349,-67.55 95.754,-67.145 98.05,-67.145 ; v2(91.161,-58.598) 91.262,-58.598 92.875,-56.985 93.586,-56.985 93.651,-57.05 97.985,-57.05 98.05,-56.985 ; 91.587,-9.672 90.52,-10.74 90.52,-22.611 93.144,-25.235 98.05,-25.235 ; v2(91.618,-49.047) 91.639,-49.068 91.669,-49.068 91.669,-49.013 93.382,-47.3 95.618,-47.3 96.413,-48.095 98.05,-48.095 ; 91.77,-51.537 92.697,-51.537 93.066,-51.168 v2(93.066,-50.825) ; 91.77,41.2 91.77,39.624 91.821,39.573 92.304,39.091 92.888,39.091 93.297,39.5 94.425,39.5 93.625,39.5 ; 91.796,0.686 94.615,0.686 99.65,-4.349 99.65,-22.143 99.098,-22.695 98.05,-22.695 ; 91.85,9.7 93.55,8 94.35,8 ; 91.875,20.2 93.575,18.5 94.375,18.5 ; 91.9,30.7 93.6,29 94.4,29 ; 91.95,51.7 93.65,50 94.45,50 ; 91.973,-40.919 91.973,-39.472 93.345,-38.1 95.08,-38.1 95.9,-38.92 95.9,-39.512 96.025,-39.637 96.089,-39.637 96.558,-40.105 96.558,-40.17 96.863,-40.475 98.05,-40.475 ; 91.975,62.2 93.675,60.5 94.475,60.5 ; 92,-84.8 92.8,-84.8 94.5,-86.5 ; 92,-83.21 98.09,-83.21 99.65,-81.651 99.65,-79.309 98.916,-78.575 98.05,-78.575 ; 92,-74.3 92.8,-74.3 94.5,-76 ; 92,-63.8 92.8,-63.8 94.5,-65.5 ; 92,-53.3 92.8,-53.3 94.5,-55 ; 92,-42.8 92.8,-42.8 94.5,-44.5 ; 92,-32.3 92.8,-32.3 94.5,-34 ; 92,-21.8 92.8,-21.8 94.5,-23.5 ; 92,-11.3 92.8,-11.3 94.5,-13 ; 92,-0.8 92.8,-0.8 94.5,-2.5 ; 92.025,83.2 93.725,81.5 94.525,81.5 ; 92.048,74.348 93.269,73.127 93.269,72.593 93.269,72.231 94.5,71 ; 92.354,-30.785 93.265,-30.785 96.605,-34.125 98.05,-34.125 ; 92.405,-20.218 92.989,-20.218 v2(93.701,-20.93) ; 92.786,-42.012 92.799,-42.024 94.45,-42.024 96.711,-44.285 98.05,-44.285 ; 93.015,-52.527 94.386,-52.527 96.304,-54.445 98.05,-54.445 ; v2(93.116,-71.933) 93.584,-72.4 97.875,-72.4 98.05,-72.225 ; v2(93.802,-40.996) 94.64,-40.996 96.66,-43.015 98.05,-43.015 ; 95.085,1.968 100.35,-3.297 100.35,-22.27 100.775,-22.695 101.95,-22.695 ; v2(95.758,-40.437) 95.758,-40.869 95.809,-40.919 95.758,-40.97 96.533,-41.745 98.05,-41.745 ; v2(95.834,-84.303) 97.917,-84.303 100.3,-81.92 100.3,-79.126 100.851,-78.575 101.95,-78.575 ; v2(95.834,-50.902) 95.834,-50.775 96.965,-51.905 98.05,-51.905 ; v2(96.164,-74.854) 96.253,-74.765 98.05,-74.765 ; v2(96.266,-73.533) 96.304,-73.495 98.05,-73.495 ; v2(96.368,-64.237) 96.368,-64.389 96.584,-64.605 98.05,-64.605 ; v2(96.901,-60.757) 96.939,-60.795 98.05,-60.795 ; 98.05,-53.175 99.86,-53.175 99.898,-53.137 v2(99.898,-52.857) ; 98.05,-31.585 98.063,-31.572 v2(99.924,-31.572) ; 98.05,-29.045 99.784,-29.045 v2(99.974,-28.854) ; v2(99.847,-73.965) 99.898,-73.965 100.368,-73.495 101.95,-73.495 ; v2(99.924,-43.028) 99.949,-43.002 100.127,-43.002 100.14,-43.015 101.95,-43.015 ; v2(99.974,-77.902) 99.974,-77.013 100.952,-76.035 101.95,-76.035 ; v2(99.974,-46.888) 100.038,-46.825 101.95,-46.825 ; v2(99.974,-34.112) 100,-34.138 100.254,-34.138 100.266,-34.125 101.95,-34.125 ; v2(100,-72.263) 100.038,-72.225 101.95,-72.225 ; v2(100,-64.643) 100.038,-64.605 101.95,-64.605 ; v2(100,-63.652) 100,-63.398 100.063,-63.335 101.95,-63.335 ; v2(100,-59.538) 100.012,-59.525 101.95,-59.525 ; v2(100,-36.678) 100.012,-36.665 101.95,-36.665 ; v2(100,-32.918) 100.152,-32.766 100.178,-32.766 100.267,-32.855 101.95,-32.855 ; v2(100.025,-71.018) 100.089,-70.955 101.95,-70.955 ; v2(100.025,-68.529) 100.025,-68.453 100.076,-68.402 100.089,-68.415 101.95,-68.415 ; v2(100.025,-44.628) 100.025,-44.298 100.038,-44.285 101.95,-44.285 ; v2(100.025,-39.218) 100.038,-39.205 101.95,-39.205 ; v2(100.051,-75.565) 100.851,-74.765 101.95,-74.765 ; v2(100.051,-65.913) 100.203,-65.913 100.241,-65.875 101.95,-65.875 ; v2(100.051,-62.052) 100.063,-62.065 101.95,-62.065 ; v2(100.051,-58.039) 100.051,-58.09 100.216,-58.255 101.95,-58.255 ; v2(100.051,-55.753) 100.101,-55.702 100.228,-55.702 100.241,-55.715 101.95,-55.715 ; v2(100.051,-54.585) 100.051,-54.534 100.152,-54.432 100.165,-54.445 101.95,-54.445 ; v2(100.051,-35.382) 100.063,-35.395 101.95,-35.395 ; v2(100.076,-69.748) 100.139,-69.685 101.95,-69.685 ; v2(100.076,-67.513) 100.076,-67.183 100.114,-67.145 101.95,-67.145 ; v2(100.076,-45.644) 100.203,-45.644 100.292,-45.555 101.95,-45.555 ; v2(100.076,-37.821) 100.19,-37.935 101.95,-37.935 ; v2(100.127,-60.833) 100.165,-60.795 101.95,-60.795 ; v2(100.178,-56.998) 100.127,-56.998 100.139,-56.985 101.95,-56.985 ; v2(100.254,-49.403) 100.292,-49.365 101.95,-49.365 ; v2(100.762,-50.597) 100.813,-50.648 100.813,-50.521 100.927,-50.635 101.95,-50.635 ; v2(101.143,-48.108) 101.155,-48.095 101.95,-48.095 ; v2(101.244,-51.867) 101.283,-51.905 101.95,-51.905 ; v2(101.27,-30.302) 101.283,-30.315 101.95,-30.315
  Bottom Layer w0.3: -96.609,41.225 -96.249,41.225 -96.273,41.25 -95.529,41.25 -93.624,39.345 -93.624,39.599 -94.132,39.091 ; -41.225,-96.609 -41.225,-96.249 -41.25,-96.273 -41.25,-95.529 -39.345,-93.624 -39.599,-93.624 -39.091,-94.132 ; 94.132,-39.091 93.624,-39.599 93.624,-39.345 95.529,-41.25 96.273,-41.25 96.249,-41.225 96.609,-41.225